# Altium PCB RF.PcbDoc (part 3 of 5) (continued)
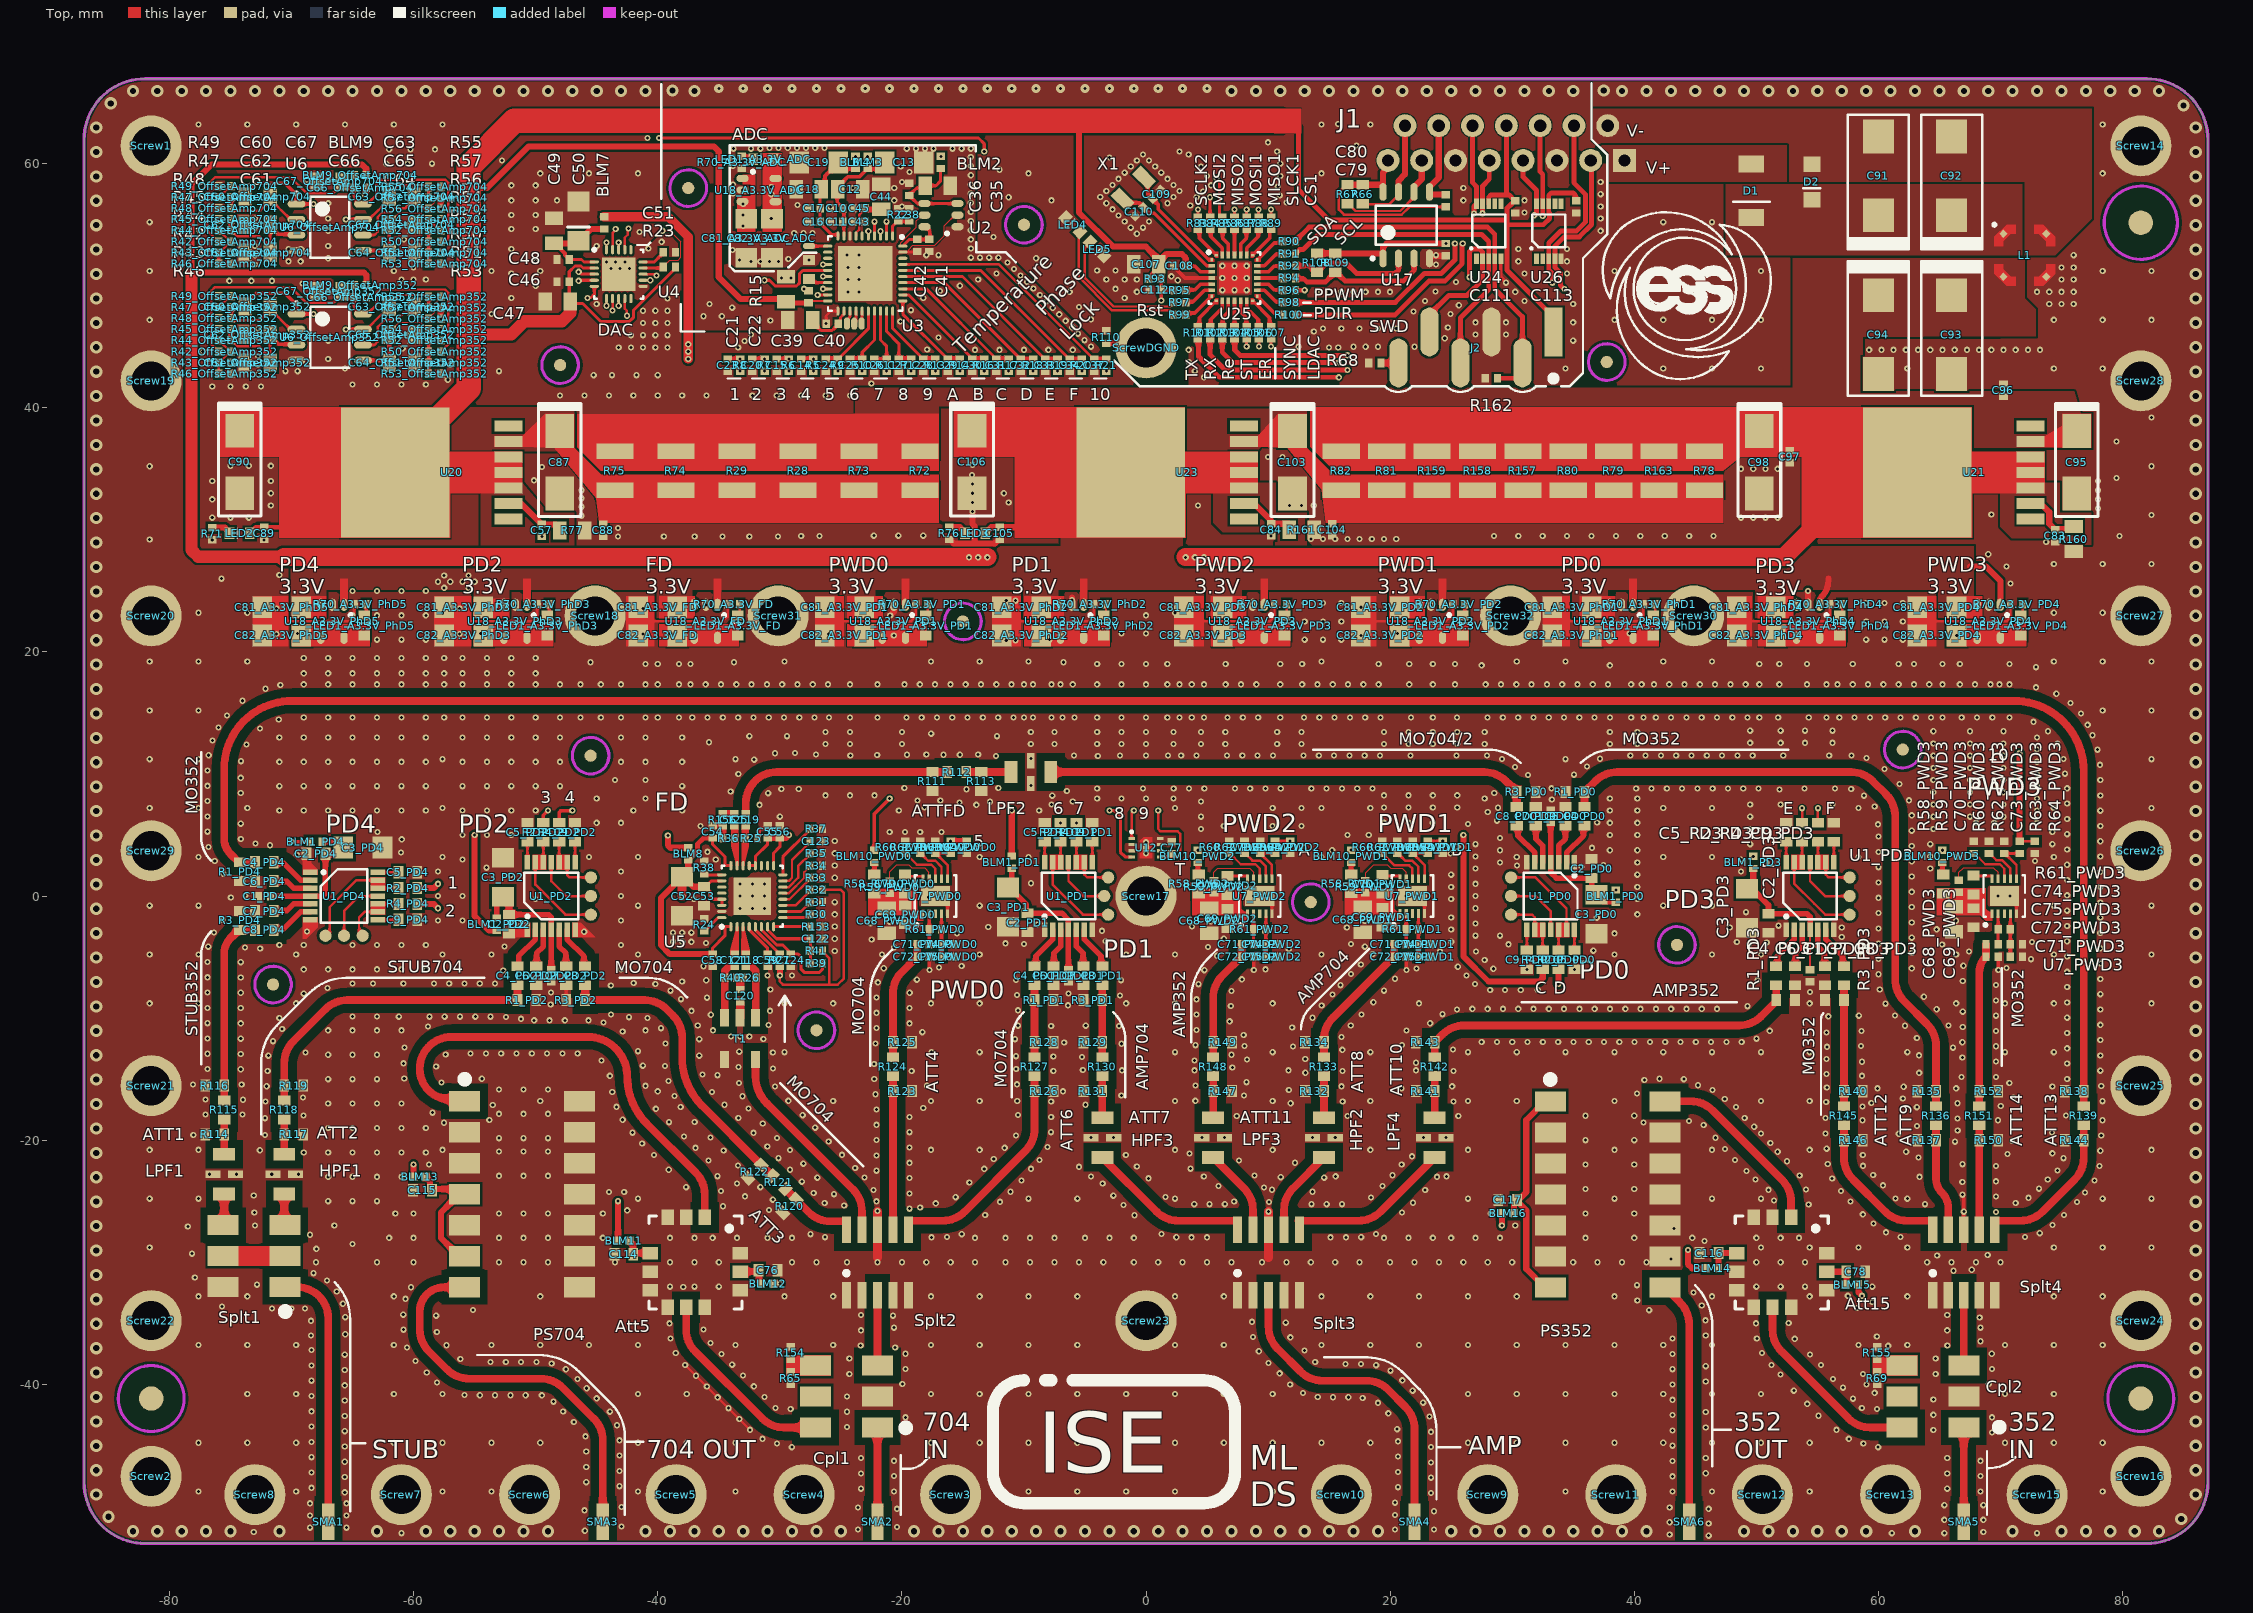
[diagram p0: Top view]
## Nets (pads, with @x,y where several pads share a name; then routed paths per layer and width w, separated by ;. In a path a pad name is that pad's centre, name@x,y a point inside that pad or via, vN(x,y) a via of type N, cw(c..) or ccw(c..) an arc to the next point about the centre after c; other vN are vias at no path point) (continued)
10.375,7.21 12.75,7.21 14.375,7.21 18.375,7.21 42.375,7.21 46.375,7.21 58.375,7.21 74.375,7.21 82.375,7.21 -18.15,7.25 19.5,7.25 21.5,7.25 23.5,7.25 25.5,7.25 28.84,7.233 59.696,7.335 -31.675,7.475 -13.9,7.475 -7.75,7.5 49.5,7.5 52,7.5 56.25,7.5 64.5,7.5 67.5,7.5 70.25,7.5 75.466,7.576 -15.275,7.675 -12.775,7.725 -6,7.75 4.5,7.75 -76.879,7.779 -18.725,7.825 -16.85,7.825 62.506,7.843 33.25,7.9 -45,8 -41,8 -4,8 -2,8 0,8 2.25,8 27.75,8 38,8 40.25,8 73,8 -7.679,8.225 58.814,8.224 78.184,8.249 -26.25,8.25 -24.25,8.25 -22.25,8.25 19.5,8.25 21.5,8.25 23.5,8.25 25.5,8.25 -30.95,8.425 -74.161,8.434 28.531,8.447 64.5,8.5 67.5,8.5 70.25,8.5 -34.025,8.575 -6.489,8.616 51.9,8.725 -14.7,8.75 -29.875,8.775 -28.45,8.775 57.775,8.775 -3.996,8.801 -0.237,8.801 2.269,8.801 3.522,8.801 4.775,8.801 7.281,8.801 8.534,8.801 9.787,8.801 11.04,8.801 13.546,8.801 14.799,8.801 16.052,8.801 17.305,8.801 18.558,8.801 40.16,8.801 41.413,8.801 42.666,8.801 43.919,8.801 45.172,8.801 46.425,8.801 47.678,8.801 48.931,8.801 50.184,8.801 53.943,8.801 56.449,8.801 33.225,8.825 75.466,8.829 -19.8,8.85 -12.1,8.85 -71,9 -69,9 -67,9 -65,9 -63,9 -61,9 -59,9 -56,9 -54,9 -52,9 -50,9 -48,9 -38,9 73,9 -76.879,9.032 -9.434,9.055 61.725,9.175 -43.5,9.5 -41,9.5 64.5,9.5 67.5,9.5 70.25,9.5 78.184,9.502 -74.161,9.687 31.3,9.916 35.06,9.944 -33.4,10 73,10 75.3,10.025 -76.879,10.285 60.5,10.4 64.5,10.5 67.5,10.5 70.25,10.5 30.23,10.569 36.12,10.611 78.16,10.754 -71,11 -69,11 -67,11 -65,11 -63,11 -61,11 -59,11 -56,11 -54,11 -52,11 -50,11 -48,11 -43,11 -41,11 -38,11 73,11 -74.15,11.05 -32.1,11.175 -81.625,11.21 -77.625,11.21 -57.625,11.21 -33.625,11.21 34.375,11.21 82.375,11.21 29.161,11.223 75.175,11.225 -9.434,11.265 37.199,11.248 59.023,11.304 -12.3,11.475 -3.95,11.475 -24.225,11.525 -5.891,11.519 -2.132,11.519 0,11.519 1.802,11.519 2.88,11.519 4.133,11.519 6.639,11.519 7.892,11.519 9.145,11.519 10.398,11.519 12.904,11.519 14.157,11.519 15.41,11.519 16.663,11.519 17.916,11.519 19.169,11.519 21.675,11.519 25.434,11.519 27.94,11.505 39.678,11.519 40.931,11.519 42.184,11.519 43.437,11.519 44.69,11.519 45.943,11.519 47.196,11.519 48.449,11.519 49.702,11.519 52.208,11.519 55.967,11.519 57.788,11.516 64.5,11.5 67.5,11.5 70.25,11.5 -76.787,11.534 -22.025,11.55 -19.575,11.575 -16.6,11.575 -15.25,11.575 -27.025,11.6 -18,11.6 -13.75,11.6 -30.4,11.7 -28.75,11.725 73,12 77.963,11.992 -73.7,12.425 -26.25,12.45 -24.25,12.45 -20,12.45 -9.434,12.45 -7.5,12.45 -4,12.45 -2,12.45 0,12.45 2.25,12.45 4.5,12.45 6.5,12.45 10.75,12.45 12.75,12.45 19.5,12.45 21.5,12.45 23.5,12.45 25.5,12.45 27.75,12.45 38,12.45 40.25,12.45 64.5,12.5 67.5,12.5 70.25,12.5 74.675,12.5 49.5,12.55 52,12.55 54,12.55 56.25,12.55 -35.8,12.6 -76.471,12.747 -71,13 -69,13 -67,13 -65,13 -63,13 -61,13 -59,13 -56,13 -54,13 -52,13 -50,13 -48,13 -43,13 -41,13 -38,13 73,13 -32.5,13.1 -29.4,13.1 -12.2,13.1 77.549,13.174 -17.6,13.3 -26.25,13.45 -24.25,13.45 -20,13.45 -9.434,13.45 -7.5,13.45 -4,13.45 -2,13.45 0,13.45 2.25,13.45 4.5,13.45 6.5,13.45 10.75,13.45 12.75,13.45 19.5,13.45 21.5,13.45 23.5,13.45 25.5,13.45 27.75,13.45 38,13.45 40.25,13.45 64.5,13.5 67.5,13.5 70.25,13.5 73.9,13.5 49.5,13.55 52,13.55 54,13.55 56.25,13.55 -72.575,13.725 -75.975,13.8 77.15,14.025 72.7,14.275 -71.05,14.475 -69,14.629 -67,14.629 -65,14.629 -63,14.629 -61,14.629 -59,14.629 -57.5,14.629 -56,14.629 -54,14.629 -52,14.629 -50,14.629 -48,14.629 -46.333,14.629 -44.667,14.629 -43,14.629 -41,14.629 -40,14.629 -38.25,14.629 -37.173,14.629 -35.92,14.629 -34.667,14.629 -33.414,14.629 -32.161,14.629 -30.908,14.629 -29.655,14.629 -28.402,14.629 -27.149,14.629 -25.971,14.629 -24.25,14.629 -22,14.629 -19.631,14.629 -18.378,14.629 -17.125,14.629 -15.872,14.629 -14.619,14.629 -13.366,14.629 -12.113,14.629 -10.86,14.629 -10,14.629 -9.25,14.629 -7.75,14.629 -6.851,14.629 -5.848,14.629 -4,14.629 -2,14.629 0,14.629 1.75,14.629 2.75,14.629 3.75,14.629 4.75,14.629 6.682,14.629 7.935,14.629 9.188,14.629 11,14.629 12.947,14.629 14.2,14.629 15.453,14.629 16.706,14.629 17.959,14.629 19.212,14.629 21.718,14.629 23.5,14.629 25.477,14.629 27.983,14.629 29.236,14.629 30.489,14.629 31.742,14.629 32.995,14.629 34.248,14.629 35.501,14.629 36.754,14.629 38.007,14.629 39.75,14.629 40.763,14.629 41.766,14.629 43.019,14.629 44.272,14.629 45.525,14.629 46.778,14.629 48.031,14.629 49.284,14.629 50.25,14.629 51.79,14.629 54.296,14.629 55.75,14.629 56.802,14.629 58.055,14.629 59.308,14.629 60.561,14.629 61.814,14.629 63.067,14.629 64.32,14.629 65.25,14.629 66.826,14.629 68.079,14.629 69.332,14.629 70.75,14.629 -75.3,14.8 76.6,14.95 -81.625,15.21 -77.625,15.21 78.375,15.21 82.375,15.21 75.75,15.825 -74.025,16 74.575,16.575 -72.142,16.985 72.919,17.1 -70.925,17.283 -69,17.347 -67,17.347 -65,17.347 -63,17.347 -61,17.347 -59,17.347 -57.5,17.347 -56,17.347 -54,17.347 -52,17.347 -50,17.347 -48,17.347 -46.333,17.347 -44.667,17.347 -43,17.347 -41,17.347 -40,17.347 -38.25,17.347 -37.326,17.347 -36.073,17.347 -34.82,17.347 -33.567,17.347 -32.314,17.347 -31.061,17.347 -29.808,17.347 -28.555,17.347 -27.302,17.347 -26.049,17.347 -24.25,17.347 -22,17.347 -19.784,17.347 -18.531,17.347 -17.278,17.347 -16.025,17.347 -14.772,17.347 -13.519,17.347 -12.266,17.347 -11.013,17.347 -10,17.347 -9.25,17.347 -7.75,17.347 -7.004,17.347 -6.001,17.347 -4,17.347 -2,17.347 0,17.347 1.75,17.347 2.75,17.347 3.75,17.347 4.75,17.347 6.529,17.347 7.782,17.347 9.035,17.347 11,17.347 12.794,17.347 14.047,17.347 15.3,17.347 16.553,17.347 17.806,17.347 19.059,17.347 21.565,17.347 23.5,17.347 25.324,17.347 27.83,17.347 29.083,17.347 30.336,17.347 31.589,17.347 32.842,17.347 34.095,17.347 35.348,17.347 36.601,17.347 37.854,17.347 39.75,17.347 40.61,17.347 41.613,17.347 42.866,17.347 44.119,17.347 45.372,17.347 46.625,17.347 47.878,17.347 49.131,17.347 50.25,17.347 51.887,17.347 54.143,17.347 55.75,17.347 56.649,17.347 57.902,17.347 59.155,17.347 60.408,17.347 61.661,17.347 62.914,17.347 64.167,17.347 65.25,17.347 66.673,17.347 67.926,17.347 69.179,17.347 69.932,17.347 70.75,17.347 -69,18.25 -67,18.25 -65,18.25 -63,18.25 -61,18.25 -59,18.25 -57.5,18.25 -56,18.25 -54,18.25 -52,18.25 -50,18.25 72.919,18.753 27.5,18.903 38,18.903 -41,19 -40,19 -38.25,19 -37.326,19 -4,19 -2,19 0,19 1.75,19 6.529,19 11,19 12.794,19 19.059,19 21.565,19 23.5,19 25.324,19 50.25,19 51.887,19 54.143,19 57.902,19 61.661,19 62.914,19 65.25,19 66.673,19 70.75,19 -45.5,19.153 -33.75,19.153 -6.75,19.153 -81.625,19.21 -77.625,19.21 -73.625,19.21 -29.625,19.21 -17.625,19.21 -13.625,19.21 -9.625,19.21 14.375,19.21 30.375,19.21 34.375,19.21 42.375,19.21 46.375,19.21 74.375,19.21 78.375,19.21 82.375,19.21 -69,19.5 -67,19.5 -65,19.5 -63,19.5 -61,19.5 -59,19.5 -57.5,19.5 -56,19.5 -54,19.5 -52,19.5 -50,19.5 -11.45,20.95 -10.7,20.95 -63,21 -61,21 -59,21 13,21 14.5,21 16,21 59,21 60.5,21 62,21 17.6,21.36 33.3,21.36 48.4,21.36 -71.225,21.46 -56.225,21.46 -41.225,21.46 -26.025,21.46 3.775,21.46 -2,21.5 0,21.5 13,22.5 14.5,22.5 16,22.5 59,22.5 60.5,22.5 62,22.5 -65,23 -63,23 -61,23 -59,23 0,23 -77.625,23.21 -73.625,23.21 -57.625,23.21 2.375,23.21 74.375,23.21 78.375,23.21 -26.025,23.56 3.775,23.56 48.4,23.66 -66.659,23.86 -51.659,23.86 -36.059,23.86 8.741,23.86 23.341,23.86 38.941,23.86 69.041,23.86 13,24 14.5,24 16,24 59,24 60.5,24 62,24 -11.45,24.2 -10.7,24.2 -6.059,24.25 -65,25 -63,25 -61,25 -59,25 70.825,25.605 -75.75,26 -71,26.3 70.5,27 74.375,27.21 78.375,27.21 82.375,27.21 69,28 73.75,29 -76.5,29.185 -72.25,29.185 -81.625,29.21 13.5,29.25 14.5,29.25 15.5,29.25 16.5,29.25 17.5,29.25 18.5,29.25 19.5,29.25 20.5,29.25 -49.5,29.45 -43.25,29.45 -39.5,29.45 -36.975,29.45 -34.7,29.45 -32.5,29.45 -30.137,29.45 -28.25,29.5 -26.75,29.5 10.25,29.5 28.5,29.5 30.5,29.5 32.5,29.5 34.5,29.5 36.5,29.5 38.5,29.5 40.5,29.5 42.5,29.5 44.5,29.5 46.5,29.5 79.75,29.5 -22.3,29.522 -20.29,29.522 -18.25,29.522 -43.25,30.15 -76.5,31 -75,31 -73.5,31 48.75,31 49.75,31 50.75,31 51.75,31 -46.25,31.15 82.375,31.21 69.25,31.25 78,31.75 -46.25,31.9 -71.7,32 4.25,32 11.75,32 12.75,32 13.75,32 -14.225,32.25 -11.25,32.25 -76.5,32.5 78,32.5 -46.25,32.582 -71.7,33 -14.225,33 -11.65,33 -46.25,33.245 78,33.25 -14.225,33.75 -76.5,34 -71.7,34 78,34 -50.147,34.06 79.5,34.25 -14.25,34.5 48.75,35 49.75,35 50.75,35 51.75,35 -49.5,35.149 -81.625,35.21 82.375,35.21 -75,35.25 -73.5,35.25 -71.7,35.25 -14.225,35.327 9.99,35.975 11.193,35.975 79.5,37.25 82.375,39.21 -48,41 -46,41 -44,41 -42,41 -40,41 -38,41 -36,41 -32.25,41 -30.25,41 -28.25,41 -26.25,41 -24.25,41 -76.5,41.75 -75,41.75 -73.75,41.75 -72.5,41.75 -65,41.9 -63,41.9 -61,41.9 -59,41.9 -22.5,42 -57.2,42.3 4.75,42.5 -45.25,42.675 -43.75,42.675 -41.75,42.675 -40,42.675 -72.75,42.75 -70.5,43 -69.5,43 -53,43 4,43 -65.625,43.21 34.375,43.21 42.375,43.21 46.375,43.21 50.375,43.21 62.375,43.21 74.375,43.21 78.375,43.21 -72.75,43.5 -57,43.5 3.5,43.75 -67,44 -72.75,44.25 -77.3,44.6 -14,44.75 -12,44.75 -10,44.75 -8,44.75 -6,44.75 3.5,44.75 59.25,44.75 60.25,44.75 61.25,44.75 62.25,44.75 63.25,44.75 64.25,44.75 65.25,44.75 66.25,44.75 67.25,44.75 68.25,44.75 69.25,44.75 70.25,44.75 71.25,44.75 72.25,44.75 73.25,44.75 -17.925,44.775 -60.9,44.875 -43.2,44.95 -42.2,44.95 -41.2,44.95 -40.2,44.95 -39.2,44.95 -33.411,44.939 15,44.95 15.75,44.95 12.5,45 17,45 18,45 19,45 22,45 -4.509,45.009 -32.88,45.47 -67,45.5 35,45.5 -5.039,45.539 24.475,45.7 -72.75,45.75 -17,45.75 -42.2,45.95 -41.2,45.95 -40.2,45.95 -39.2,45.95 -32.35,46 27,46 29.5,46 -5.57,46.07 13.75,46.25 -72.75,46.5 14.5,46.5 16,46.5 17.5,46.5 19,46.5 20.5,46.5 24.725,46.575 -6.047,46.597 -41.2,46.95 -40.2,46.95 -39.2,46.95 27,47 29.5,47 35,47 -20.125,47.075 -6.577,47.127 -30.775,47.15 -31.75,47.175 -81.625,47.21 38.375,47.21 42.375,47.21 46.375,47.21 50.375,47.21 74.375,47.21 78.375,47.21 82.375,47.21 -4.5,47.25 -75.975,47.349 -36.25,47.5 -34.75,47.5 -7.107,47.657 -53.625,47.675 24.95,47.675 21.925,47.9 -41.2,47.95 -40.2,47.95 -39.2,47.95 -19.25,48 -33.9,48.2 -7.638,48.188 -5.5,48.25 25.625,48.4 -45,48.5 -35.75,48.5 35,48.5 74,48.5 75,48.5 76,48.5 -8.168,48.718 22.85,48.75 31,48.75 -39.2,48.95 -52,49 -18.25,49 -1.75,49 -63.875,49.04 -75.975,49.149 -8.698,49.248 -67,49.4 -24.425,49.5 -23.5,49.5 -6.25,49.5 -0.75,49.5 14,49.5 15,49.5 16,49.5 17,49.5 18,49.5 19,49.5 20,49.5 30.25,49.5 73,49.5 74,49.5 75,49.5 76,49.5 23.725,49.525 -16.875,49.575 6.25,49.635 7.25,49.635 8.25,49.635 -28.025,49.75 -2.5,49.75 -9.229,49.779 -50,50 -15.25,50 -69.1,50.175 -9.759,50.309 25.4,50.3 -75.1,50.4 -73.3,50.4 -71.6,50.4 2.6,50.45 -61,50.5 -60,50.5 -59,50.5 -24.425,50.5 -23.5,50.5 -13.75,50.5 -3.25,50.5 -1.75,50.5 -0.75,50.5 75,50.5 76,50.5 -29.85,50.63 -29.1,50.63 6.25,50.635 7.25,50.635 8.25,50.635 2.075,50.775 -10.289,50.839 -52,51 -12.25,51 31,51 34.5,51 -81.625,51.21 -61.625,51.21 -53.625,51.21 -49.625,51.21 38.375,51.21 42.375,51.21 46.375,51.21 50.375,51.21 78.375,51.21 82.375,51.21 -4,51.25 -2.5,51.25 -10.82,51.37 -43.825,51.42 -43.075,51.42 -42.325,51.42 -60,51.5 -24.425,51.5 -23.5,51.5 75,51.5 76,51.5 6.25,51.635 7.25,51.635 8.25,51.635 -73,51.75 23.75,51.75 -11.35,51.9 -44.2,51.95 -43.45,51.95 -42.7,51.95 -32.35,51.975 -31.6,51.975 -30.85,51.975 -30.1,51.975 -70.25,52 -69.25,52 -50,52 30.5,52 34.5,52 -33.3,52.1 -29.3,52.2 -67,52.25 -9,52.25 -14.35,52.3 -13.6,52.3 -12.85,52.3 -12.1,52.3 -73,52.5 -60,52.5 -24.5,52.5 -23.5,52.5 -18,52.5 -17,52.5 23.75,52.5 76,52.5 -33.875,52.925 -77.55,53 -70.25,53 -69.25,53 -52,53 30.5,53 34.5,53 -40.775,53.05 -14.35,53.05 -73,53.25 -67,53.25 -45,53.25 -39.675,53.6 -60.8,53.8 -33.875,53.8 -14.35,53.8 -12.5,54 -0.75,54.26 -28.82,54.33 -28.07,54.33 -27.32,54.33 -41.5,54.4 -77.55,54.5 -67,54.5 37.25,54.5 -14.35,54.55 -52,54.65 -50,54.65 -73,54.75 -1.25,54.76 -0.25,54.76 -81.625,55.21 42.375,55.21 46.375,55.21 -1.75,55.26 0.25,55.26 -14.35,55.3 -73,55.5 -67,55.5 37.25,55.5 -2.25,55.76 -52,55.8 -50,55.8 31,56 -14.35,56.05 -2.75,56.26 -25.85,56.45 -20,56.5 37.25,56.5 3.625,56.575 -28.55,56.625 -67,56.75 -3.25,56.76 1.75,56.76 -14.35,56.8 11.5,56.825 -52,57 -50,57 -48.25,57 -20.625,57 -7.75,57 26,57 31,57 -11.25,57.25 -3.75,57.26 2.25,57.26 4.15,57.275 10.95,57.4 -64,57.475 37.25,57.5 -33.85,57.55 -14.35,57.55 4.675,57.7 -3.25,57.76 2.75,57.76 -33.05,57.841 -24,58 -20.625,58 26,58 10.8,58.125 -52,58.225 -50,58.225 5.325,58.225 -76,58.25 -2.75,58.26 2.25,58.26 -33.85,58.3 -14.35,58.3 -20,58.5 37.25,58.5 -68.75,58.65 -67,58.65 -2.25,58.76 1.75,58.76 5,59 11,59 -14.35,59.05 -49.625,59.21 -45.625,59.21 -41.625,59.21 -9.625,59.21 14.375,59.21 78.375,59.21 -1.75,59.26 1.25,59.26 -19.375,59.325 -12,59.5 -1.25,59.76 0.75,59.76 4.5,59.75 -20.1,59.775 -33.85,59.8 -14.35,59.8 -62.25,60 -60.5,60 -58.5,60 11,60 -52.75,60.25 -0.75,60.26 0.25,60.26 -3,60.5 -33.85,60.55 -14.35,60.55 3.5,60.75 -0.25,60.76 2.75,61 10.75,61 -62,61.175 -60.25,61.175 -58.25,61.175 -33.8,61.225 -32.35,61.225 -31.6,61.225 -19.6,61.225 -18.85,61.225 -18.1,61.225 -17.4,61.225 -15.85,61.225 -15.1,61.225 -14.35,61.225 -30.85,61.3 -30.1,61.3 -29.35,61.3 -28.6,61.3 -27.85,61.3 -27.1,61.3 -26.35,61.3 17.25,61.5 10,61.75 -40.85,62.1 -77.625,63.21 -73.625,63.21 -69.625,63.21 -65.625,63.21 -61.625,63.21 -57.625,63.21 14.375,63.21 18.375,63.21 78.375,63.21 15.75,63.25
  other v2: -83,-52.04 -81,-52.04 -79,-52.04 -77,-52.04 -75,-52.04 -71,-52.04 -63,-52.04 -59,-52.04 -57,-52.04 -55,-52.04 -53,-52.04 -51,-52.04 -49,-52.04 -41,-52.04 -39,-52.04 -37,-52.04 -35,-52.04 -33,-52.04 -31,-52.04 -29,-52.04 -27,-52.04 -25,-52.04 -19,-52.04 -17,-52.04 -15,-52.04 -13,-52.04 -11,-52.04 -9,-52.04 -7,-52.04 -5,-52.04 -3,-52.04 -1,-52.04 1,-52.04 3,-52.04 5,-52.04 7,-52.04 9,-52.04 11,-52.04 13,-52.04 15,-52.04 17,-52.04 19,-52.04 25,-52.04 27,-52.04 29,-52.04 31,-52.04 33,-52.04 35,-52.04 37,-52.04 39,-52.04 41,-52.04 49,-52.04 51,-52.04 53,-52.04 55,-52.04 57,-52.04 59,-52.04 63,-52.04 71,-52.04 75,-52.04 77,-52.04 79,-52.04 81,-52.04 83,-52.04 84.814,-51.026 -84.986,-50.854 -86,-49.04 86,-49.04 -86,-47.04 86,-47.04 -86,-45.04 86,-45.04 -86,-43.04 86,-43.04 -86,-41.04 86,-41.04 -86,-39.04 86,-39.04 -86,-37.04 86,-37.04 -86,-35.04 86,-35.04 -86,-33.04 86,-33.04 -86,-31.04 86,-31.04 -86,-29.04 86,-29.04 -86,-27.04 86,-27.04 -86,-25.04 86,-25.04 -86,-23.04 86,-23.04 -86,-21.04 86,-21.04 -86,-19.04 86,-19.04 -86,-17.04 86,-17.04 -86,-15.04 86,-15.04 -86,-13.04 86,-13.04 -86,-11.04 86,-11.04 -86,-9.04 86,-9.04 -86,-7.04 86,-7.04 -86,-5.04 86,-5.04 -86,-3.04 86,-3.04 -86,-1.04 86,-1.04 -86,0.96 86,0.96 -86,2.96 86,2.96 -86,4.96 86,4.96 -86,6.96 86,6.96 -86,8.96 86,8.96 -86,10.96 86,10.96 -86,12.96 86,12.96 -86,14.96 86,14.96 -86,16.96 86,16.96 -86,18.96 86,18.96 -86,20.96 86,20.96 -86,22.96 86,22.96 -86,24.96 86,24.96 -86,26.96 86,26.96 -86,28.96 86,28.96 -86,30.96 86,30.96 -86,32.96 86,32.96 -86,34.96 86,34.96 -86,36.96 86,36.96 -86,38.96 86,38.96 -86,40.96 86,40.96 -86,42.96 86,42.96 -86,44.96 86,44.96 -86,46.96 86,46.96 -86,48.96 86,48.96 -86,50.96 86,50.96 -86,52.96 86,52.96 -86,54.96 86,54.96 -86,56.96 86,56.96 -86,58.96 86,58.96 -86,60.96 86,60.96 -86,62.96 86,62.96 84.986,64.774 -84.814,64.946 -83,65.96 -81,65.96 -79,65.96 -77,65.96 -75,65.96 -73,65.96 -71,65.96 -69,65.96 -67,65.96 -65,65.96 -63,65.96 -61,65.96 -59,65.96 -57,65.96 -55,65.96 -53,65.96 -51,65.96 -49,65.96 -47,65.96 -45,65.96 -43,65.96 -41,65.96 -37,65.96 7,65.96 9,65.96 11,65.96 13,65.96 15,65.96 17,65.96 19,65.96 21,65.96 23,65.96 25,65.96 27,65.96 29,65.96 31,65.96 33,65.96 35,65.96 39,65.96 41,65.96 43,65.96 45,65.96 47,65.96 49,65.96 51,65.96 53,65.96 55,65.96 57,65.96 59,65.96 61,65.96 63,65.96 65,65.96 67,65.96 69,65.96 71,65.96 73,65.96 75,65.96 77,65.96 79,65.96 81,65.96 83,65.96 -38.8,66 37.5,66
  other v3: -35,66.16 -33,66.16 -31,66.16 -29,66.16 -27,66.16 -25,66.16 -23,66.16 -21,66.16 -19,66.16 -17,66.16 -15,66.16 -13,66.16 -11,66.16 -9,66.16 -7,66.16 -5,66.16 -3,66.16 -1,66.16 1,66.16 3,66.16 5,66.16